# KiCad board LI-ION_Charger.kicad_pcb (continued)
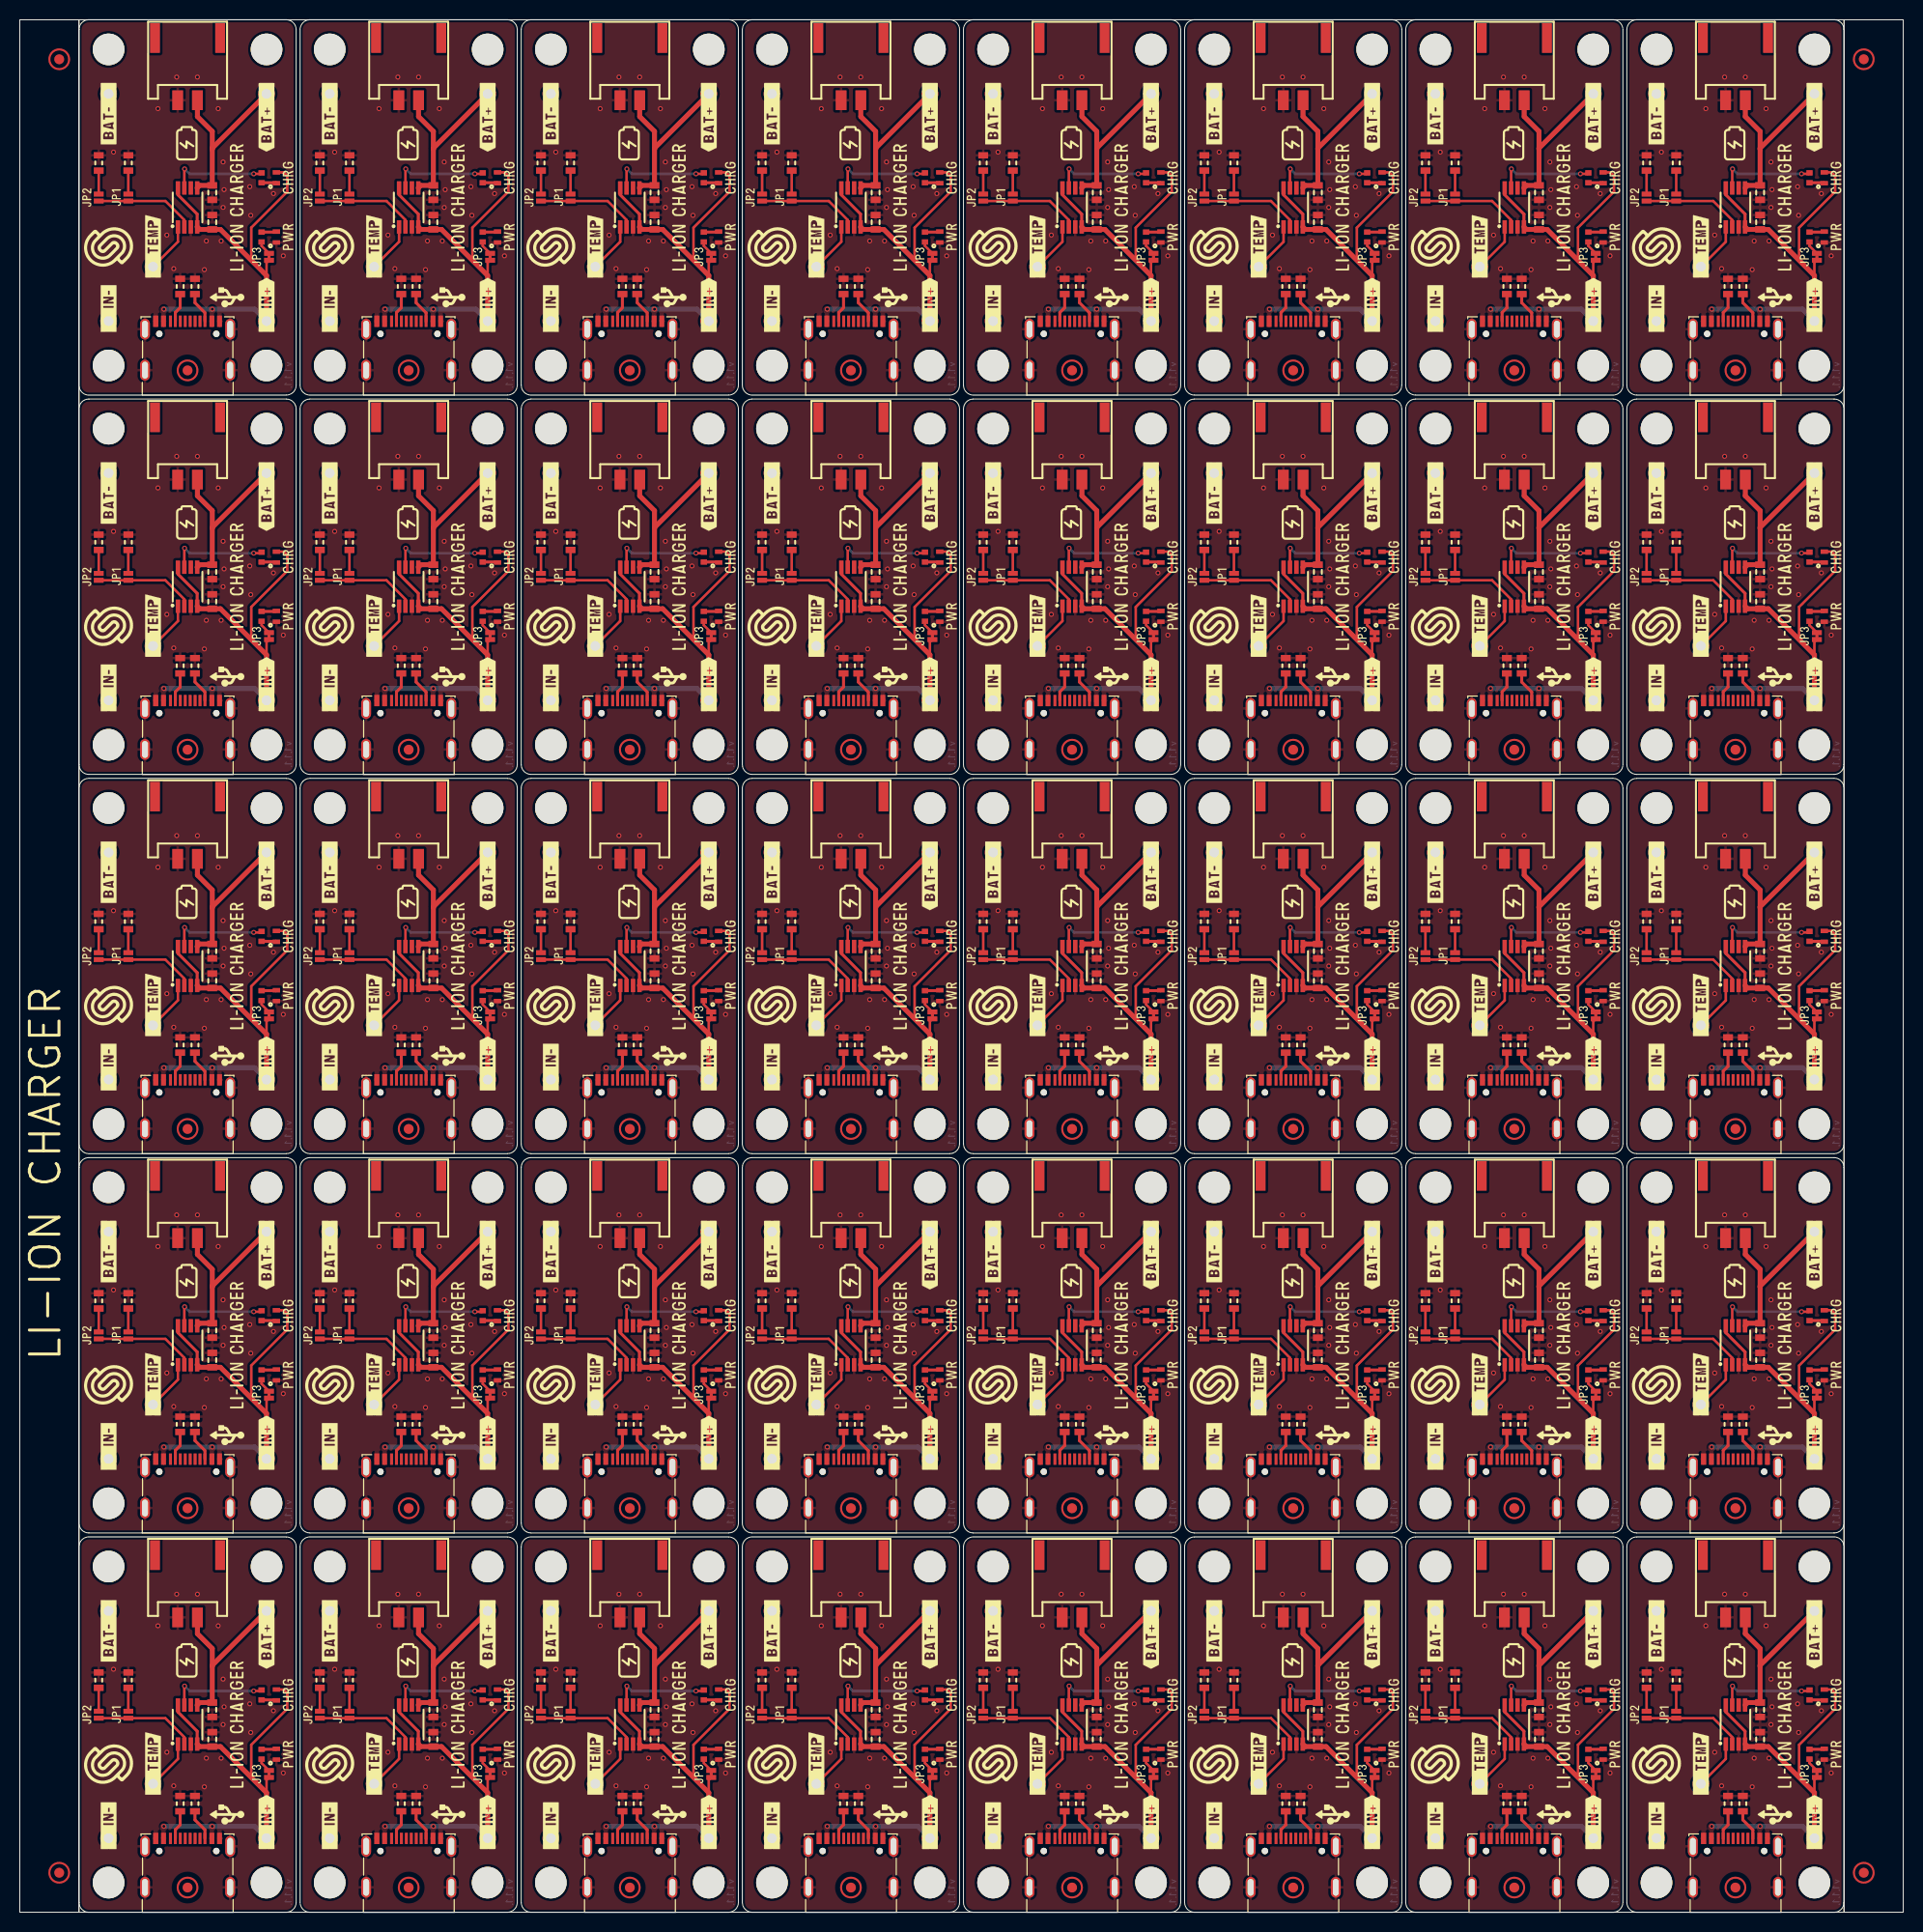
[diagram p0: board, top side]
## Routing (per net, layer and track width the routed paths; a pad name or vN(x,y) marks a point on that pad's centre or on a via; arc(x,y) is an arc through that point) (continued)
  Top w0.3: U1#7.4 62.78,95.13 60.82,97.08 60.82,97.78 ; U1#32.8 105.62,173.88 107.57,171.93 U1#32.4 ; 128.03,20.98 128.03,20.28 129.97,18.33 U1#11.4 ; 38.42,20.98 38.42,20.28 40.38,18.33 U1#31.4 ; U1#22.4 62.78,171.93 60.82,173.88 60.82,174.58 ; U1#21.8 83.22,97.08 85.18,95.13 85.18,93.83 ; 174.77,55.43 174.77,56.73 172.82,58.68 U1#36.8 ; 174.77,170.62 174.77,171.93 172.82,173.88 U1#25.8 ; U1#17.8 83.22,135.48 85.18,133.53 85.18,132.23 ; U1#13.4 40.38,171.93 38.42,173.88 38.42,174.58 ; U1#39.8 150.43,173.88 152.38,171.93 U1#39.4 ; U1#35.4 129.97,95.13 128.03,97.08 U1#35.8 ; U1#40.8 128.03,58.68 129.97,56.73 U1#40.4 ; U1#30.8 16.03,173.88 17.97,171.93 U1#30.4 ; 60.82,136.18 60.82,135.48 62.78,133.53 62.78,132.23 ; 40.38,132.23 40.38,133.53 38.42,135.48 38.42,136.18 ; 85.18,170.62 85.18,171.93 83.22,173.88 U1#33.8 ; U1#18.8 105.62,135.48 107.57,133.53 107.57,132.23 ; 38.42,97.78 38.42,97.08 40.38,95.13 U1#20.4 ; U1#16.4 152.38,18.33 150.43,20.28 150.43,20.98 ; 16.03,20.98 16.03,20.28 17.97,18.33 U1#24.4 ; U1#37.8 150.43,135.48 152.38,133.53 152.38,132.23 ; U1#10.8 16.03,135.48 17.97,133.53 17.97,132.23 ; U1.8 128.03,173.88 129.97,171.93 U1.4 ; 83.22,20.98 83.22,20.28 85.18,18.33 85.18,17.03 ; U1#23.4 17.97,95.13 16.03,97.08 U1#23.8 ; 174.77,93.83 174.77,95.13 172.82,97.08 U1#12.8 ; U1#5.8 172.82,135.48 174.77,133.53 174.77,132.23 ; U1#3.4 107.57,95.13 105.62,97.08 U1#3.8 ; U1#4.4 40.38,56.73 38.42,58.68 38.42,59.38 ; U1#27.8 128.03,135.48 129.97,133.53 129.97,132.23 ; 174.77,17.03 174.77,18.33 172.82,20.28 172.82,20.98 ; U1#8.4 152.38,95.13 150.43,97.08 U1#8.8 ; U1#15.8 105.62,58.68 107.57,56.73 U1#15.4 ; U1#6.4 17.97,56.73 16.03,58.68 U1#6.8 ; U1#19.8 150.43,58.68 152.38,56.73 U1#19.4 ; 85.18,55.43 85.18,56.73 83.22,58.68 U1#34.8 ; 105.62,20.98 105.62,20.28 107.57,18.33 U1#9.4 ; U1#29.4 62.78,56.73 60.82,58.68 60.82,59.38 ; U1#38.4 62.78,18.33 60.82,20.28 60.82,20.98
  Top w0.5: K2#8.1 47.4,12.1 42.73,16.77 C1#34.2 40.63,16.77 U1#31.4 ; K2#19.1 92.2,127.3 87.53,131.97 C1#2.2 85.43,131.97 85.18,132.23 ; 62.78,132.23 63.03,131.97 C1#7.2 65.13,131.97 69.8,127.3 K2#28.1 ; K2#6.1 159.4,88.9 154.73,93.57 C1#3.2 152.63,93.57 U1#8.4 ; U1#6.4 18.23,55.17 C1#18.2 20.33,55.17 25,50.5 K2#29.1 ; K2#16.1 47.4,50.5 42.73,55.17 C1#37.2 40.63,55.17 U1#4.4 ; 129.97,132.23 130.23,131.97 C1#19.2 132.33,131.97 137,127.3 K2.1 ; 107.57,132.23 107.83,131.97 C1#20.2 109.93,131.97 114.6,127.3 K2#33.1 ; K2#27.1 159.4,50.5 154.73,55.17 C1#26.2 152.63,55.17 U1#19.4 ; K2#13.1 25,127.3 20.33,131.97 C1#15.2 18.23,131.97 17.97,132.23 ; U1#30.4 18.23,170.37 C1#39.2 20.33,170.37 25,165.7 K2#17.1 ; U1#29.4 63.03,55.17 C1#6.2 65.13,55.17 69.8,50.5 K2#31.1 ; K2#37.1 47.4,127.3 42.73,131.97 C1#38.2 40.63,131.97 40.38,132.23 ; 174.77,170.62 175.03,170.37 C1#28.2 177.13,170.37 181.8,165.7 K2#21.1 ; K2#38.1 92.2,50.5 87.53,55.17 C1#17.2 85.43,55.17 85.18,55.43 ; U1.4 130.23,170.37 C1#4.2 132.33,170.37 137,165.7 K2#5.1 ; U1#24.4 18.23,16.77 C1#22.2 20.33,16.77 25,12.1 K2#10.1 ; K2#15.1 114.6,88.9 109.93,93.57 C1#24.2 107.83,93.57 U1#3.4 ; K2#7.1 137,12.1 132.33,16.77 C1#12.2 130.23,16.77 U1#11.4 ; 174.77,132.23 175.03,131.97 C1#30.2 177.13,131.97 181.8,127.3 K2#12.1 ; K2#23.1 137,88.9 132.33,93.57 C1#29.2 130.23,93.57 U1#35.4 ; 174.77,17.03 175.03,16.77 C1#8.2 177.13,16.77 181.8,12.1 K2#25.1 ; K2#36.1 47.4,165.7 42.73,170.37 C1#9.2 40.63,170.37 U1#13.4 ; U1#22.4 63.03,170.37 C1#16.2 65.13,170.37 69.8,165.7 K2#32.1 ; K2#18.1 69.8,88.9 65.13,93.57 C1#35.2 63.03,93.57 U1#7.4 ; U1#39.4 152.63,170.37 C1#32.2 154.73,170.37 159.4,165.7 K2#9.1 ; 85.18,170.62 85.43,170.37 C1#33.2 87.53,170.37 92.2,165.7 K2#35.1 ; K2#4.1 181.8,50.5 177.13,55.17 C1#14.2 175.03,55.17 174.77,55.43 ; 85.18,17.03 85.43,16.77 C1#40.2 87.53,16.77 92.2,12.1 K2#14.1 ; K2#26.1 181.8,88.9 177.13,93.57 C1.2 175.03,93.57 174.77,93.83 ; U1#38.4 63.03,16.77 C1#23.2 65.13,16.77 69.8,12.1 K2#40.1 ; K2#39.1 159.4,12.1 154.73,16.77 C1#36.2 152.63,16.77 U1#16.4 ; K2#2.1 47.4,88.9 42.73,93.57 C1#13.2 40.63,93.57 U1#20.4 ; U1#9.4 107.83,16.77 C1#25.2 109.93,16.77 114.6,12.1 K2#22.1 ; 85.18,93.83 85.43,93.57 C1#5.2 87.53,93.57 92.2,88.9 K2#11.1 ; U1#40.4 130.23,55.17 C1#10.2 132.33,55.17 137,50.5 K2#24.1 ; K2#20.1 114.6,50.5 109.93,55.17 C1#11.2 107.83,55.17 U1#15.4 ; K2#30.1 25,88.9 20.33,93.57 C1#27.2 18.23,93.57 U1#23.4 ; U1#32.4 107.83,170.37 C1#21.2 109.93,170.37 114.6,165.7 K2#34.1 ; 152.38,132.23 152.63,131.97 C1#31.2 154.73,131.97 159.4,127.3 K2#3.1
  Bottom w0.5: v1(81.8,123.9) 91,123.9 K2#19.1 ; v1(37,123.9) 46.2,123.9 K2#37.1 ; K2#32.1 68.6,162.3 v1(59.4,162.3) ; K2#14.1 91,8.7 v1(81.8,8.7) ; K2#5.1 135.8,162.3 v1(126.6,162.3) ; K2#29.1 23.8,47.1 v1(14.6,47.1) ; v1(171.4,8.7) 180.6,8.7 K2#25.1 ; K2#11.1 91,85.5 v1(81.8,85.5) ; v1(126.6,85.5) 135.8,85.5 K2#23.1 ; K2#18.1 68.6,85.5 v1(59.4,85.5) ; v1(59.4,123.9) 68.6,123.9 K2#28.1 ; v1(14.6,8.7) 23.8,8.7 K2#10.1 ; K2#17.1 23.8,162.3 v1(14.6,162.3) ; v1(37,85.5) 46.2,85.5 K2#2.1 ; v1(104.2,162.3) 113.4,162.3 K2#34.1 ; v1(171.4,162.3) 180.6,162.3 K2#21.1 ; K2#12.1 180.6,123.9 v1(171.4,123.9) ; K2#33.1 113.4,123.9 v1(104.2,123.9) ; v1(37,162.3) 46.2,162.3 K2#36.1 ; v1(104.2,85.5) 113.4,85.5 K2#15.1 ; K2#8.1 46.2,8.7 v1(37,8.7) ; v1(37,47.1) 46.2,47.1 K2#16.1 ; v1(149,8.7) 158.2,8.7 K2#39.1 ; K2.1 135.8,123.9 v1(126.6,123.9) ; v1(59.4,8.7) 68.6,8.7 K2#40.1 ; v1(104.2,47.1) 113.4,47.1 K2#20.1 ; K2#31.1 68.6,47.1 v1(59.4,47.1) ; v1(149,162.3) 158.2,162.3 K2#9.1 ; v1(14.6,85.5) 23.8,85.5 K2#30.1 ; v1(171.4,47.1) 180.6,47.1 K2#4.1 ; v1(149,85.5) 158.2,85.5 K2#6.1 ; v1(126.6,8.7) 135.8,8.7 K2#7.1 ; v1(81.8,47.1) 91,47.1 K2#38.1 ; K2#13.1 23.8,123.9 v1(14.6,123.9) ; v1(81.8,162.3) 91,162.3 K2#35.1 ; K2#24.1 135.8,47.1 v1(126.6,47.1) ; v1(149,123.9) 158.2,123.9 K2#3.1 ; v1(171.4,85.5) 180.6,85.5 K2#26.1 ; v1(149,47.1) 158.2,47.1 K2#27.1 ; K2#22.1 113.4,8.7 v1(104.2,8.7)
  vias: v1(19.5,162.3) v1(19.5,123.9) v1(19.5,85.5) v1(19.5,47.1) v1(19.5,8.7) v1(41.9,162.3) v1(41.9,123.9) v1(41.9,85.5) v1(41.9,47.1) v1(41.9,8.7) v1(64.3,162.3) v1(64.3,123.9) v1(64.3,85.5) v1(64.3,47.1) v1(64.3,8.7) v1(86.7,162.3) v1(86.7,123.9) v1(86.7,85.5) v1(86.7,47.1) v1(86.7,8.7) v1(109.1,162.3) v1(109.1,123.9) v1(109.1,85.5) v1(109.1,47.1) v1(109.1,8.7) v1(131.5,162.3) v1(131.5,123.9) v1(131.5,85.5) v1(131.5,47.1) v1(131.5,8.7) v1(153.9,162.3) v1(153.9,123.9) v1(153.9,85.5) v1(153.9,47.1) v1(153.9,8.7) v1(176.3,162.3) v1(176.3,123.9) v1(176.3,85.5) v1(176.3,47.1) v1(176.3,8.7)
Net-(D1-Pad2): length 60.8
  Top w0.3: D1#18.2 70.75,136.7 R5#24.2 ; D1#16.2 48.35,21.5 R5#34.2 ; D1#25.2 115.55,136.7 R5#30.2 ; D1#4.2 93.15,59.9 R5#23.2 ; D1#33.2 115.55,98.3 R5#13.2 ; R5#2.2 137.95,175.1 D1#37.2 ; D1#27.2 48.35,175.1 R5#32.2 ; R5#33.2 48.35,136.7 D1#13.2 ; D1#20.2 182.75,98.3 R5#19.2 ; D1#19.2 115.55,59.9 R5#25.2 ; R5#16.2 25.95,98.3 D1#6.2 ; R5#21.2 160.35,175.1 D1#3.2 ; R5#38.2 137.95,21.5 D1#21.2 ; R5#31.2 70.75,21.5 D1#31.2 ; D1#28.2 70.75,59.9 R5#12.2 ; R5#17.2 160.35,136.7 D1.2 ; D1#39.2 160.35,59.9 R5#14.2 ; R5#28.2 93.15,98.3 D1#11.2 ; R5#22.2 48.35,59.9 D1#36.2 ; R5#3.2 25.95,21.5 D1#2.2 ; D1#22.2 115.55,21.5 R5#8.2 ; R5#4.2 160.35,21.5 D1#35.2 ; R5#18.2 70.75,175.1 D1#40.2 ; R5#20.2 93.15,175.1 D1#38.2 ; D1#34.2 137.95,98.3 R5#35.2 ; D1#17.2 25.95,175.1 R5#40.2 ; R5#6.2 25.95,136.7 D1#30.2 ; D1#9.2 48.35,98.3 R5#15.2 ; R5#11.2 25.95,59.9 D1#7.2 ; D1#23.2 137.95,136.7 R5#10.2 ; D1#10.2 182.75,136.7 R5#27.2 ; D1#32.2 70.75,98.3 R5.2 ; R5#36.2 115.55,175.1 D1#24.2 ; R5#5.2 182.75,175.1 D1#15.2 ; D1#5.2 160.35,98.3 R5#39.2 ; R5#37.2 137.95,59.9 D1#26.2 ; D1#12.2 182.75,21.5 R5#26.2 ; D1#8.2 93.15,21.5 R5#7.2 ; D1#29.2 182.75,59.9 R5#29.2 ; D1#14.2 93.15,136.7 R5#9.2
Net-(D2-Pad1): length 60.8
  Top w0.3: R6#9.2 160.35,16.5 D2#21.1 ; R6#23.2 48.35,170.1 D2#24.1 ; D2#34.1 182.75,16.5 R6#10.2 ; R6#12.2 70.75,16.5 D2#35.1 ; R6#19.2 115.55,16.5 D2#36.1 ; D2#14.1 93.15,93.3 R6#5.2 ; D2#26.1 48.35,16.5 R6#11.2 ; R6#33.2 182.75,93.3 D2#19.1 ; R6#18.2 160.35,131.7 D2#23.1 ; R6#27.2 115.55,170.1 D2#28.1 ; R6#30.2 93.15,54.9 D2#7.1 ; D2#2.1 160.35,54.9 R6#34.2 ; R6#40.2 25.95,170.1 D2#13.1 ; D2#37.1 182.75,170.1 R6#21.2 ; R6#17.2 48.35,131.7 D2#4.1 ; R6#28.2 70.75,131.7 D2#40.1 ; R6#38.2 182.75,54.9 D2#25.1 ; D2#30.1 137.95,93.3 R6#7.2 ; R6#8.2 25.95,93.3 D2#33.1 ; D2#18.1 70.75,93.3 R6#16.2 ; D2#16.1 137.95,54.9 R6#6.2 ; R6#26.2 137.95,16.5 D2#6.1 ; D2#22.1 93.15,170.1 R6#15.2 ; D2#39.1 25.95,131.7 R6#36.2 ; R6.2 115.55,54.9 D2#27.1 ; R6#24.2 70.75,54.9 D2#9.1 ; D2#31.1 137.95,170.1 R6#2.2 ; D2#8.1 160.35,170.1 R6#31.2 ; D2#29.1 137.95,131.7 R6#22.2 ; D2#12.1 160.35,93.3 R6#25.2 ; R6#14.2 25.95,16.5 D2#10.1 ; R6#37.2 115.55,93.3 D2#3.1 ; D2#5.1 115.55,131.7 R6#32.2 ; D2#32.1 48.35,93.3 R6#4.2 ; R6#20.2 70.75,170.1 D2#20.1 ; D2.1 48.35,54.9 R6#39.2 ; R6#35.2 93.15,16.5 D2#15.1 ; R6#3.2 93.15,131.7 D2#11.1 ; R6#29.2 182.75,131.7 D2#17.1 ; D2#38.1 25.95,54.9 R6#13.2
Net-(JP1-Pad1): length 95
  Top w0.254: JP1#33.1 R3#15.2 ; JP1#9.1 R3.2 ; JP1#36.1 R3#31.2 ; JP1#38.1 R3#9.2 ; JP1#20.1 R3#11.2 ; JP1#37.1 R3#29.2 ; JP1#26.1 R3#35.2 ; JP1#27.1 R3#18.2 ; JP1#25.1 R3#10.2 ; JP1#21.1 R3#23.2 ; JP1#22.1 R3#25.2 ; JP1#40.1 R3#8.2 ; JP1#17.1 R3#3.2 ; JP1#7.1 R3#6.2 ; JP1#4.1 R3#37.2 ; JP1#6.1 R3#34.2 ; JP1#29.1 R3#39.2 ; JP1.1 R3#2.2 ; JP1#35.1 R3#5.2 ; JP1#15.1 R3#17.2 ; JP1#8.1 R3#21.2 ; JP1#24.1 R3#30.2 ; JP1#34.1 R3#7.2 ; JP1#3.1 R3#28.2 ; JP1#2.1 R3#12.2 ; JP1#12.1 R3#27.2 ; JP1#5.1 R3#36.2 ; JP1#31.1 R3#4.2 ; JP1#32.1 R3#40.2 ; JP1#18.1 R3#16.2 ; JP1#10.1 R3#14.2 ; JP1#14.1 R3#19.2 ; JP1#30.1 R3#20.2 ; JP1#39.1 R3#26.2 ; JP1#19.1 R3#24.2 ; JP1#16.1 R3#38.2 ; JP1#23.1 R3#22.2 ; JP1#11.1 R3#33.2 ; JP1#28.1 R3#32.2 ; JP1#13.1 R3#13.2
Net-(JP2-Pad1): length 95
  Top w0.254: JP2#25.1 R4#13.2 ; JP2#9.1 R4#4.2 ; JP2#27.1 R4#27.2 ; JP2#15.1 R4#11.2 ; JP2#17.1 R4#29.2 ; JP2#33.1 R4#21.2 ; JP2#21.1 R4#30.2 ; JP2#10.1 R4#7.2 ; JP2.1 R4#34.2 ; JP2#11.1 R4#10.2 ; JP2#29.1 R4#35.2 ; JP2#12.1 R4#38.2 ; JP2#2.1 R4#31.2 ; JP2#24.1 R4#33.2 ; JP2#5.1 R4#15.2 ; JP2#30.1 R4#23.2 ; JP2#28.1 R4.2 ; JP2#19.1 R4#17.2 ; JP2#35.1 R4#3.2 ; JP2#6.1 R4#28.2 ; JP2#14.1 R4#2.2 ; JP2#36.1 R4#8.2 ; JP2#8.1 R4#20.2 ; JP2#38.1 R4#39.2 ; JP2#18.1 R4#18.2 ; JP2#23.1 R4#32.2 ; JP2#7.1 R4#19.2 ; JP2#37.1 R4#22.2 ; JP2#26.1 R4#40.2 ; JP2#13.1 R4#26.2 ; JP2#32.1 R4#5.2 ; JP2#40.1 R4#12.2 ; JP2#34.1 R4#6.2 ; JP2#20.1 R4#36.2 ; JP2#3.1 R4#24.2 ; JP2#39.1 R4#9.2 ; JP2#31.1 R4#37.2 ; JP2#16.1 R4#14.2 ; JP2#22.1 R4#16.2 ; JP2#4.1 R4#25.2
Net-(JP3-Pad2): length 58.4
  Top w0.25: R6#27.1 114.1,168.7 JP3#6.2 ; R6#4.1 46.9,91.9 JP3#14.2 ; R6#14.1 24.5,15.1 JP3#3.2 ; R6#30.1 91.7,53.5 JP3#18.2 ; R6#20.1 69.3,168.7 JP3#13.2 ; JP3#9.2 24.5,130.3 R6#36.1 ; R6#22.1 136.5,130.3 JP3#19.2 ; JP3#40.2 158.9,130.3 R6#18.1 ; JP3#34.2 91.7,15.1 R6#35.1 ; R6#29.1 181.3,130.3 JP3.2 ; JP3#28.2 136.5,168.7 R6#2.1 ; JP3#39.2 114.1,53.5 R6.1 ; JP3#27.2 69.3,130.3 R6#28.1 ; JP3#12.2 114.1,130.3 R6#32.1 ; R6#33.1 181.3,91.9 JP3#24.2 ; R6#26.1 136.5,15.1 JP3#37.2 ; R6#8.1 24.5,91.9 JP3#10.2 ; R6#11.1 46.9,15.1 JP3#8.2 ; JP3#20.2 158.9,15.1 R6#9.1 ; R6#12.1 69.3,15.1 JP3#23.2 ; JP3#26.2 136.5,53.5 R6#6.1 ; R6#40.1 24.5,168.7 JP3#35.2 ; R6#39.1 46.9,53.5 JP3#7.2 ; R6#24.1 69.3,53.5 JP3#17.2 ; JP3#11.2 114.1,91.9 R6#37.1 ; R6#34.1 158.9,53.5 JP3#22.2 ; R6#5.1 91.7,91.9 JP3#30.2 ; R6#15.1 91.7,168.7 JP3#16.2 ; JP3#15.2 158.9,168.7 R6#31.1 ; R6#25.1 158.9,91.9 JP3#33.2 ; R6#10.1 181.3,15.1 JP3#5.2 ; JP3#36.2 91.7,130.3 R6#3.1 ; JP3#31.2 181.3,168.7 R6#21.1 ; JP3#25.2 69.3,91.9 R6#16.1 ; JP3#2.2 181.3,53.5 R6#38.1 ; R6#19.1 114.1,15.1 JP3#32.2 ; JP3#38.2 46.9,168.7 R6#23.1 ; R6#7.1 136.5,91.9 JP3#29.2 ; R6#17.1 46.9,130.3 JP3#21.2 ; JP3#4.2 24.5,53.5 R6#13.1
Net-(K1-PadA5): length 118.1
  Top w0.3: K1#40.A5 150.16,123.56 150.65,124.05 R2#9.1 ; K1#21.A5 105.36,161.96 105.85,162.45 R2#36.1 ; 127.76,7.48 127.76,8.36 128.25,8.85 R2#38.1 ; R2#4.1 173.05,47.25 172.56,46.76 K1.A5 ; K1#11.A5 60.56,46.76 61.05,47.25 R2#13.1 ; R2#23.1 38.65,162.45 38.16,161.96 K1#2.A5 ; 15.76,7.48 15.76,8.36 16.25,8.85 R2#34.1 ; R2#5.1 128.25,85.65 127.76,85.16 K1#10.A5 ; R2#10.1 83.45,8.85 82.96,8.36 82.96,7.48 ; K1#14.A5 60.56,161.96 61.05,162.45 R2#29.1 ; K1#23.A5 172.56,85.16 173.05,85.65 R2#18.1 ; 150.16,7.48 150.16,8.36 150.65,8.85 R2#19.1 ; R2#12.1 128.25,124.05 127.76,123.56 K1#35.A5 ; K1#30.A5 60.56,85.16 61.05,85.65 R2#35.1 ; R2#8.1 16.25,162.45 15.76,161.96 K1#17.A5 ; R2#7.1 128.25,162.45 127.76,161.96 K1#32.A5 ; 38.16,7.48 38.16,8.36 38.65,8.85 R2#39.1 ; R2#16.1 61.05,8.85 60.56,8.36 60.56,7.48 ; R2#6.1 128.25,47.25 127.76,46.76 K1#6.A5 ; K1#19.A5 15.76,46.76 16.25,47.25 R2#20.1 ; 105.36,7.48 105.36,8.36 105.85,8.85 R2.1 ; K1#20.A5 82.96,46.76 83.45,47.25 R2#27.1 ; K1#15.A5 60.56,123.56 61.05,124.05 R2#14.1 ; R2#40.1 38.65,85.65 38.16,85.16 K1#3.A5 ; K1#33.A5 105.36,85.16 105.85,85.65 R2#31.1 ; K1#28.A5 15.76,85.16 16.25,85.65 R2#26.1 ; K1#26.A5 105.36,46.76 105.85,47.25 R2#28.1 ; K1#12.A5 150.16,85.16 150.65,85.65 R2#24.1 ; R2#33.1 83.45,162.45 82.96,161.96 K1#7.A5 ; K1#22.A5 82.96,123.56 83.45,124.05 R2#37.1 ; R2#30.1 173.05,124.05 172.56,123.56 K1#34.A5 ; K1#36.A5 105.36,123.56 105.85,124.05 R2#2.1 ; 172.56,7.48 172.56,8.36 173.05,8.85 R2#15.1 ; R2#17.1 83.45,85.65 82.96,85.16 K1#13.A5 ; R2#11.1 16.25,124.05 15.76,123.56 K1#18.A5 ; R2#3.1 150.65,47.25 150.16,46.76 K1#25.A5 ; R2#32.1 38.65,47.25 38.16,46.76 K1#31.A5 ; K1#29.A5 172.56,161.96 173.05,162.45 R2#21.1 ; R2#25.1 150.65,162.45 150.16,161.96 K1#38.A5 ; K1#9.A5 38.16,123.56 38.65,124.05 R2#22.1
Net-(K1-PadB5): length 126.8
  Top w0.3: K1#21.B5 108.36,161.94 107.35,162.95 R1#9.1 ; R1#32.1 129.75,47.75 130.76,46.74 K1#6.B5 ; K1#9.B5 41.16,123.54 40.15,124.55 R1#31.1 ; R1#40.1 174.55,162.95 175.56,161.94 K1#29.B5 ; R1#17.1 107.35,86.15 108.36,85.14 K1#33.B5 ; R1.1 40.15,86.15 41.16,85.14 K1#3.B5 ; K1#15.B5 63.56,123.54 62.55,124.55 R1#5.1 ; R1#29.1 62.55,9.35 63.56,8.34 63.56,7.48 ; R1#4.1 40.15,162.95 41.16,161.94 K1#2.B5 ; K1#38.B5 153.16,161.94 152.15,162.95 R1#22.1 ; R1#3.1 129.75,124.55 130.76,123.54 K1#35.B5 ; K1#30.B5 63.56,85.14 62.55,86.15 R1#38.1 ; R1#28.1 17.75,124.55 18.76,123.54 K1#18.B5 ; R1#34.1 174.55,86.15 175.56,85.14 K1#23.B5 ; R1#26.1 84.95,162.95 85.96,161.94 K1#7.B5 ; K1#19.B5 18.76,46.74 17.75,47.75 R1#21.1 ; K1#13.B5 85.96,85.14 84.95,86.15 R1#15.1 ; R1#2.1 84.95,124.55 85.96,123.54 K1#22.B5 ; R1#20.1 152.15,9.35 153.16,8.34 153.16,7.48 ; K1#17.B5 18.76,161.94 17.75,162.95 R1#37.1 ; 41.16,7.48 41.16,8.34 40.15,9.35 R1#23.1 ; K1#32.B5 130.76,161.94 129.75,162.95 R1#12.1 ; R1#33.1 152.15,86.15 153.16,85.14 K1#12.B5 ; R1#19.1 174.55,9.35 175.56,8.34 175.56,7.48 ; K1#34.B5 175.56,123.54 174.55,124.55 R1#13.1 ; R1#6.1 17.75,86.15 18.76,85.14 K1#28.B5 ; R1#10.1 129.75,9.35 130.76,8.34 130.76,7.48 ; K1#31.B5 41.16,46.74 40.15,47.75 R1#24.1 ; K1#20.B5 85.96,46.74 84.95,47.75 R1#16.1 ; R1#39.1 62.55,162.95 63.56,161.94 K1#14.B5 ; 85.96,7.48 85.96,8.34 84.95,9.35 R1#27.1 ; K1#11.B5 63.56,46.74 62.55,47.75 R1#25.1 ; R1#36.1 17.75,9.35 18.76,8.34 18.76,7.48 ; 108.36,7.48 108.36,8.34 107.35,9.35 R1#18.1 ; K1#26.B5 108.36,46.74 107.35,47.75 R1#8.1 ; K1#40.B5 153.16,123.54 152.15,124.55 R1#14.1 ; R1#35.1 107.35,124.55 108.36,123.54 K1#36.B5 ; K1.B5 175.56,46.74 174.55,47.75 R1#11.1 ; R1#7.1 129.75,86.15 130.76,85.14 K1#10.B5 ; K1#25.B5 153.16,46.74 152.15,47.75 R1#30.1
Net-(R5-Pad1): length 399.4
  Top w0.254: v1(39.1,99.7) 39.08,99.68 U1#20.7 ; v1(106.3,99.7) 106.28,99.68 U1#3.7 ; v1(90.9,99.2) 91.6,99.2 R5#28.1 ; U1#15.7 106.28,61.28 v1(106.3,61.3) ; U1#4.7 39.08,61.28 v1(39.1,61.3) ; R5#15.1 46.8,99.2 v1(46.1,99.2) ; U1#5.7 173.48,138.08 v1(173.5,138.1) ; v1(39.1,176.5) 39.08,176.48 U1#13.7 ; v1(23.7,60.8) 24.4,60.8 R5#11.1 ; v1(68.5,137.6) 69.2,137.6 R5#24.1 ; U1#12.7 173.48,99.68 v1(173.5,99.7) ; v1(83.9,99.7) 83.88,99.68 U1#21.7 ; v1(39.1,138.1) 39.08,138.08 U1#14.7 ; R5#19.1 181.2,99.2 v1(180.5,99.2) ; v1(158.1,99.2) 158.8,99.2 R5#39.1 ; R5#32.1 46.8,176 v1(46.1,176) ; R5#18.1 69.2,176 v1(68.5,176) ; v1(113.3,60.8) 114,60.8 R5#25.1 ; R5#10.1 136.4,137.6 v1(135.7,137.6) ; R5#30.1 114,137.6 v1(113.3,137.6) ; v1(135.7,99.2) 136.4,99.2 R5#35.1 ; v1(151.1,176.5) 151.07,176.48 U1#39.7 ; v1(180.5,137.6) 181.2,137.6 R5#27.1 ; v1(83.9,176.5) 83.88,176.48 U1#33.7 ; v1(128.7,22.9) 128.68,22.88 128.68,20.98 ; v1(128.7,176.5) 128.68,176.48 U1.7 ; U1#40.7 128.68,61.28 v1(128.7,61.3) ; R5#36.1 114,176 v1(113.3,176) ; R5#2.1 136.4,176 v1(135.7,176) ; 106.28,20.98 106.28,22.88 v1(106.3,22.9) ; v1(83.9,138.1) 83.88,138.08 U1#17.7 ; R5#12.1 69.2,60.8 v1(68.5,60.8) ; R5#38.1 136.4,22.4 v1(135.7,22.4) ; v1(151.1,138.1) 151.07,138.08 U1#37.7 ; 39.08,20.98 39.08,22.88 v1(39.1,22.9) ; v1(46.1,60.8) 46.8,60.8 R5#22.1 ; v1(173.5,176.5) 173.48,176.48 U1#25.7 ; v1(158.1,176) 158.8,176 R5#21.1 ; U1#18.7 106.28,138.08 v1(106.3,138.1) ; v1(151.1,61.3) 151.07,61.28 U1#19.7 ; v1(180.5,22.4) 181.2,22.4 R5#26.1 ; R5#4.1 158.8,22.4 v1(158.1,22.4) ; v1(68.5,22.4) 69.2,22.4 R5#31.1 ; R5#29.1 181.2,60.8 v1(180.5,60.8) ; v1(61.5,61.3) 61.47,61.28 U1#29.7 ; R5#23.1 91.6,60.8 v1(90.9,60.8) ; v1(90.9,137.6) 91.6,137.6 R5#9.1 ; v1(173.5,22.9) 173.48,22.88 173.48,20.98 ; v1(90.9,22.4) 91.6,22.4 R5#7.1 ; R5#6.1 24.4,137.6 v1(23.7,137.6) ; v1(180.5,176) 181.2,176 R5#5.1 ; v1(16.7,138.1) 16.67,138.08 U1#10.7 ; U1#8.7 151.07,99.68 v1(151.1,99.7) ; v1(158.1,60.8) 158.8,60.8 R5#14.1 ; U1#22.7 61.47,176.48 v1(61.5,176.5) ; U1#35.7 128.68,99.68 v1(128.7,99.7) ; R5#13.1 114,99.2 v1(113.3,99.2) ; v1(128.7,138.1) 128.68,138.08 U1#27.7 ; R5.1 69.2,99.2 v1(68.5,99.2) ; R5#33.1 46.8,137.6 v1(46.1,137.6) ; v1(135.7,60.8) 136.4,60.8 R5#37.1 ; U1#32.7 106.28,176.48 v1(106.3,176.5) ; U1#34.7 83.88,61.28 v1(83.9,61.3) ; v1(16.7,22.9) 16.67,22.88 16.67,20.98 ; v1(16.7,99.7) 16.67,99.68 U1#23.7 ; U1#36.7 173.48,61.28 v1(173.5,61.3) ; 151.07,20.98 151.07,22.88 v1(151.1,22.9) ; R5#8.1 114,22.4 v1(113.3,22.4) ; v1(61.5,138.1) 61.47,138.08 U1#28.7 ; v1(61.5,22.9) 61.47,22.88 61.47,20.98 ; v1(61.5,99.7) 61.47,99.68 U1#7.7 ; R5#34.1 46.8,22.4 v1(46.1,22.4) ; v1(90.9,176) 91.6,176 R5#20.1 ; R5#17.1 158.8,137.6 v1(158.1,137.6) ; R5#40.1 24.4,176 v1(23.7,176) ; v1(16.7,61.3) 16.67,61.28 U1#6.7 ; v1(16.7,176.5) 16.67,176.48 U1#30.7 ; R5#3.1 24.4,22.4 v1(23.7,22.4) ; 83.88,20.98 83.88,22.88 v1(83.9,22.9) ; v1(23.7,99.2) 24.4,99.2 R5#16.1
  Bottom w0.254: v1(173.5,61.3) 174,60.8 v1(180.5,60.8) ; v1(16.7,176.5) 17.2,176 v1(23.7,176) ; v1(173.5,22.9) 174,22.4 v1(180.5,22.4) ; v1(61.5,61.3) 62,60.8 v1(68.5,60.8) ; v1(158.1,137.6) 151.6,137.6 v1(151.1,138.1) ; v1(135.7,60.8) 129.2,60.8 v1(128.7,61.3) ; v1(106.3,138.1) 106.8,137.6 v1(113.3,137.6) ; v1(106.3,61.3) 106.8,60.8 v1(113.3,60.8) ; v1(113.3,99.2) 106.8,99.2 v1(106.3,99.7) ; v1(151.1,99.7) 151.6,99.2 v1(158.1,99.2) ; v1(46.1,176) 39.6,176 v1(39.1,176.5) ; v1(158.1,22.4) 151.6,22.4 v1(151.1,22.9) ; v1(61.5,138.1) 62,137.6 v1(68.5,137.6) ; v1(46.1,22.4) 39.6,22.4 v1(39.1,22.9) ; v1(68.5,22.4) 62,22.4 v1(61.5,22.9) ; v1(39.1,99.7) 39.6,99.2 v1(46.1,99.2) ; v1(23.7,99.2) 17.2,99.2 v1(16.7,99.7) ; v1(173.5,176.5) 174,176 v1(180.5,176) ; v1(83.9,138.1) 84.4,137.6 v1(90.9,137.6) ; v1(23.7,22.4) 17.2,22.4 v1(16.7,22.9) ; v1(106.3,22.9) 106.8,22.4 v1(113.3,22.4) ; v1(128.7,22.9) 129.2,22.4 v1(135.7,22.4) ; v1(151.1,176.5) 151.6,176 v1(158.1,176) ; v1(46.1,60.8) 39.6,60.8 v1(39.1,61.3) ; v1(135.7,176) 129.2,176 v1(128.7,176.5) ; v1(128.7,138.1) 129.2,137.6 v1(135.7,137.6) ; v1(68.5,176) 62,176 v1(61.5,176.5) ; v1(61.5,99.7) 62,99.2 v1(68.5,99.2) ; v1(135.7,99.2) 129.2,99.2 v1(128.7,99.7) ; v1(90.9,176) 84.4,176 v1(83.9,176.5) ; v1(173.5,99.7) 174,99.2 v1(180.5,99.2) ; v1(39.1,138.1) 39.6,137.6 v1(46.1,137.6) ; v1(106.3,176.5) 106.8,176 v1(113.3,176) ; v1(16.7,61.3) 17.2,60.8 v1(23.7,60.8) ; v1(23.7,137.6) 17.2,137.6 v1(16.7,138.1) ; v1(90.9,99.2) 84.4,99.2 v1(83.9,99.7) ; v1(151.1,61.3) 151.6,60.8 v1(158.1,60.8) ; v1(83.9,22.9) 84.4,22.4 v1(90.9,22.4) ; v1(173.5,138.1) 174,137.6 v1(180.5,137.6) ; v1(90.9,60.8) 84.4,60.8 v1(83.9,61.3)

## Copper pours and planes (outline as drawn; the poured copper is in the pictures)
GND on Top, Bottom: 72.8,153.6 50.8,153.6 50.8,191.6 72.8,191.6
GND on Top, Bottom: 162.4,115.2 140.4,115.2 140.4,153.2 162.4,153.2
GND on Top, Bottom: 117.6,115.2 95.6,115.2 95.6,153.2 117.6,153.2
GND on Top, Bottom: 50.4,153.6 28.4,153.6 28.4,191.6 50.4,191.6
GND on Top, Bottom: 28,115.2 6,115.2 6,153.2 28,153.2
GND on Top, Bottom: 117.6,0 95.6,0 95.6,38 117.6,38
GND on Top, Bottom: 184.8,153.6 162.8,153.6 162.8,191.6 184.8,191.6
GND on Top, Bottom: 140,153.6 118,153.6 118,191.6 140,191.6
GND on Top, Bottom: 50.4,38.4 28.4,38.4 28.4,76.4 50.4,76.4
GND on Top, Bottom: 184.8,0 162.8,0 162.8,38 184.8,38
GND on Top, Bottom: 95.2,115.2 73.2,115.2 73.2,153.2 95.2,153.2
GND on Top, Bottom: 140,76.8 118,76.8 118,114.8 140,114.8
GND on Top, Bottom: 72.8,38.4 50.8,38.4 50.8,76.4 72.8,76.4
GND on Top, Bottom: 95.2,38.4 73.2,38.4 73.2,76.4 95.2,76.4
GND on Top, Bottom: 28,76.8 6,76.8 6,114.8 28,114.8
GND on Top, Bottom: 72.8,0 50.8,0 50.8,38 72.8,38
GND on Top, Bottom: 28,153.6 6,153.6 6,191.6 28,191.6
GND on Top, Bottom: 140,0 118,0 118,38 140,38
GND on Top, Bottom: 140,115.2 118,115.2 118,153.2 140,153.2
GND on Top, Bottom: 184.8,115.2 162.8,115.2 162.8,153.2 184.8,153.2
GND on Top, Bottom: 117.6,76.8 95.6,76.8 95.6,114.8 117.6,114.8
GND on Top, Bottom: 117.6,38.4 95.6,38.4 95.6,76.4 117.6,76.4
GND on Top, Bottom: 117.6,153.6 95.6,153.6 95.6,191.6 117.6,191.6
GND on Top, Bottom: 95.2,153.6 73.2,153.6 73.2,191.6 95.2,191.6
GND on Top, Bottom: 95.2,0 73.2,0 73.2,38 95.2,38
GND on Top, Bottom: 162.4,0 140.4,0 140.4,38 162.4,38
GND on Top, Bottom: 28,38.4 6,38.4 6,76.4 28,76.4
GND on Top, Bottom: 162.4,76.8 140.4,76.8 140.4,114.8 162.4,114.8
GND on Top, Bottom: 184.8,38.4 162.8,38.4 162.8,76.4 184.8,76.4
GND on Top, Bottom: 72.8,76.8 50.8,76.8 50.8,114.8 72.8,114.8
GND on Top, Bottom: 50.4,76.8 28.4,76.8 28.4,114.8 50.4,114.8
GND on Top, Bottom: 184.8,76.8 162.8,76.8 162.8,114.8 184.8,114.8
GND on Top, Bottom: 50.4,0 28.4,0 28.4,38 50.4,38
GND on Top, Bottom: 162.4,38.4 140.4,38.4 140.4,76.4 162.4,76.4
GND on Top, Bottom: 162.4,153.6 140.4,153.6 140.4,191.6 162.4,191.6
GND on Top, Bottom: 95.2,76.8 73.2,76.8 73.2,114.8 95.2,114.8
GND on Top, Bottom: 72.8,115.2 50.8,115.2 50.8,153.2 72.8,153.2
GND on Top, Bottom: 50.4,115.2 28.4,115.2 28.4,153.2 50.4,153.2
GND on Top, Bottom: 28,0 6,0 6,38 28,38
GND on Top, Bottom: 140,38.4 118,38.4 118,76.4 140,76.4
VUSB on Top: 14.9,124 14.9,122.1 14.2,122.1 14.2,124 14.4,124.2 14.7,124.2
VUSB on Top: 37.3,8.8 37.3,6.9 36.6,6.9 36.6,8.8 36.8,9 37.1,9
VUSB on Top: 149.3,162.4 149.3,160.5 148.6,160.5 148.6,162.4 148.8,162.6 149.1,162.6
VUSB on Top: 104.5,124 104.5,122.1 103.8,122.1 103.8,124 104,124.2 104.3,124.2
VUSB on Top: 59.7,47.2 59.7,45.3 59,45.3 59,47.2 59.2,47.4 59.5,47.4
VUSB on Top: 149.3,8.8 149.3,6.9 148.6,6.9 148.6,8.8 148.8,9 149.1,9
VUSB on Top: 42.2,47.2 42.2,45.3 41.5,45.3 41.5,47.2 41.7,47.4 42,47.4
VUSB on Top: 64.6,85.6 64.6,83.7 63.9,83.7 63.9,85.6 64.1,85.8 64.4,85.8
VUSB on Top: 154.2,85.6 154.2,83.7 153.5,83.7 153.5,85.6 153.7,85.8 154,85.8
VUSB on Top: 131.8,8.8 131.8,6.9 131.1,6.9 131.1,8.8 131.3,9 131.6,9
VUSB on Top: 171.7,85.6 171.7,83.7 171,83.7 171,85.6 171.2,85.8 171.5,85.8
VUSB on Top: 109.4,47.2 109.4,45.3 108.7,45.3 108.7,47.2 108.9,47.4 109.2,47.4
VUSB on Top: 126.9,47.2 126.9,45.3 126.2,45.3 126.2,47.2 126.4,47.4 126.7,47.4
VUSB on Top: 19.8,124 19.8,122.1 19.1,122.1 19.1,124 19.3,124.2 19.6,124.2
VUSB on Top: 37.3,85.6 37.3,83.7 36.6,83.7 36.6,85.6 36.8,85.8 37.1,85.8
VUSB on Top: 19.8,85.6 19.8,83.7 19.1,83.7 19.1,85.6 19.3,85.8 19.6,85.8
VUSB on Top: 109.4,8.8 109.4,6.9 108.7,6.9 108.7,8.8 108.9,9 109.2,9
VUSB on Top: 19.8,8.8 19.8,6.9 19.1,6.9 19.1,8.8 19.3,9 19.6,9
VUSB on Top: 19.8,162.4 19.8,160.5 19.1,160.5 19.1,162.4 19.3,162.6 19.6,162.6
VUSB on Top: 171.7,162.4 171.7,160.5 171,160.5 171,162.4 171.2,162.6 171.5,162.6
VUSB on Top: 59.7,124 59.7,122.1 59,122.1 59,124 59.2,124.2 59.5,124.2
VUSB on Top: 64.6,124 64.6,122.1 63.9,122.1 63.9,124 64.1,124.2 64.4,124.2
VUSB on Top: 154.2,124 154.2,122.1 153.5,122.1 153.5,124 153.7,124.2 154,124.2
VUSB on Top: 104.5,162.4 104.5,160.5 103.8,160.5 103.8,162.4 104,162.6 104.3,162.6
VUSB on Top: 82.1,47.2 82.1,45.3 81.4,45.3 81.4,47.2 81.6,47.4 81.9,47.4
VUSB on Top: 176.6,124 176.6,122.1 175.9,122.1 175.9,124 176.1,124.2 176.4,124.2
VUSB on Top: 82.1,8.8 82.1,6.9 81.4,6.9 81.4,8.8 81.6,9 81.9,9
VUSB on Top: 42.2,8.8 42.2,6.9 41.5,6.9 41.5,8.8 41.7,9 42,9
